# Altium PCB Power_Management_Board.PcbDoc (part 1 of 2)
Units mm, origin at the board's own origin, x right, y up, seen from the top; angles counter-clockwise.
Board outline 210 x 130 mm, 4 copper layers (Top Layer, Layer 1, Layer 2, Bottom Layer), stack 1.606 mm thick; 145 components, 102 nets, 624 pads, 311 vias.
Unrouted connection lines stored in the file: 16.
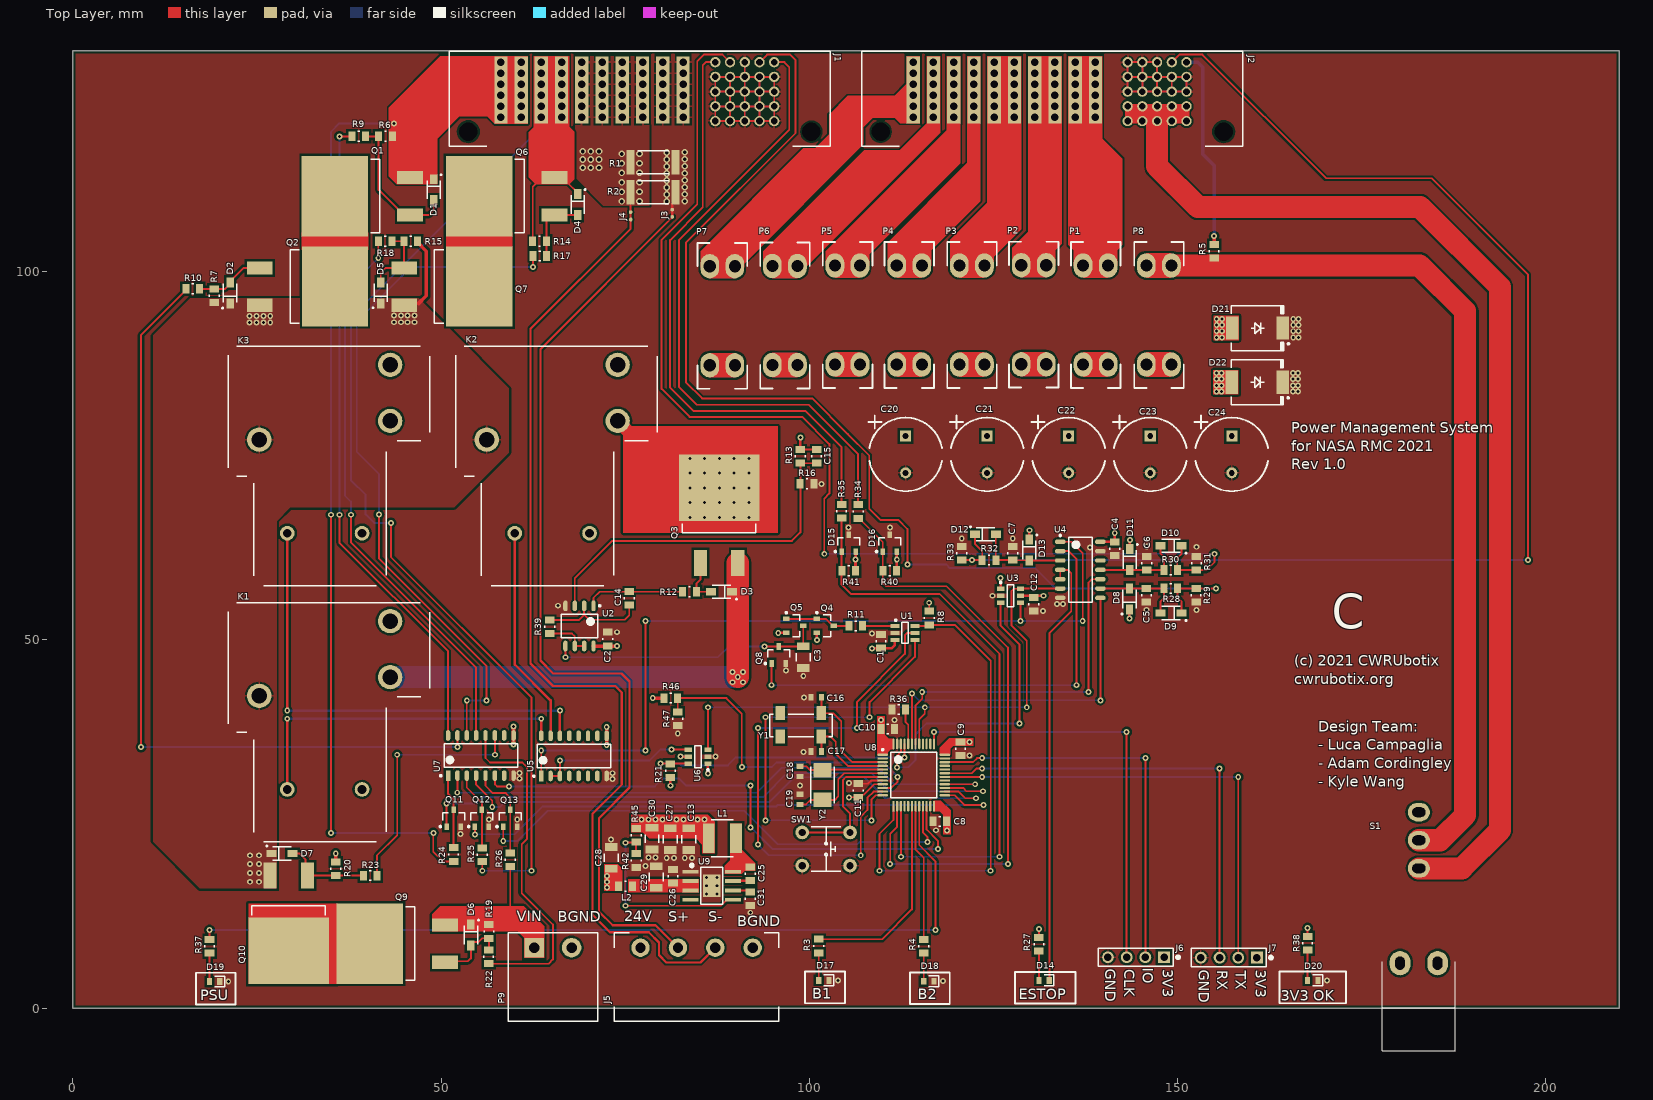
[diagram p0: Top Layer view]
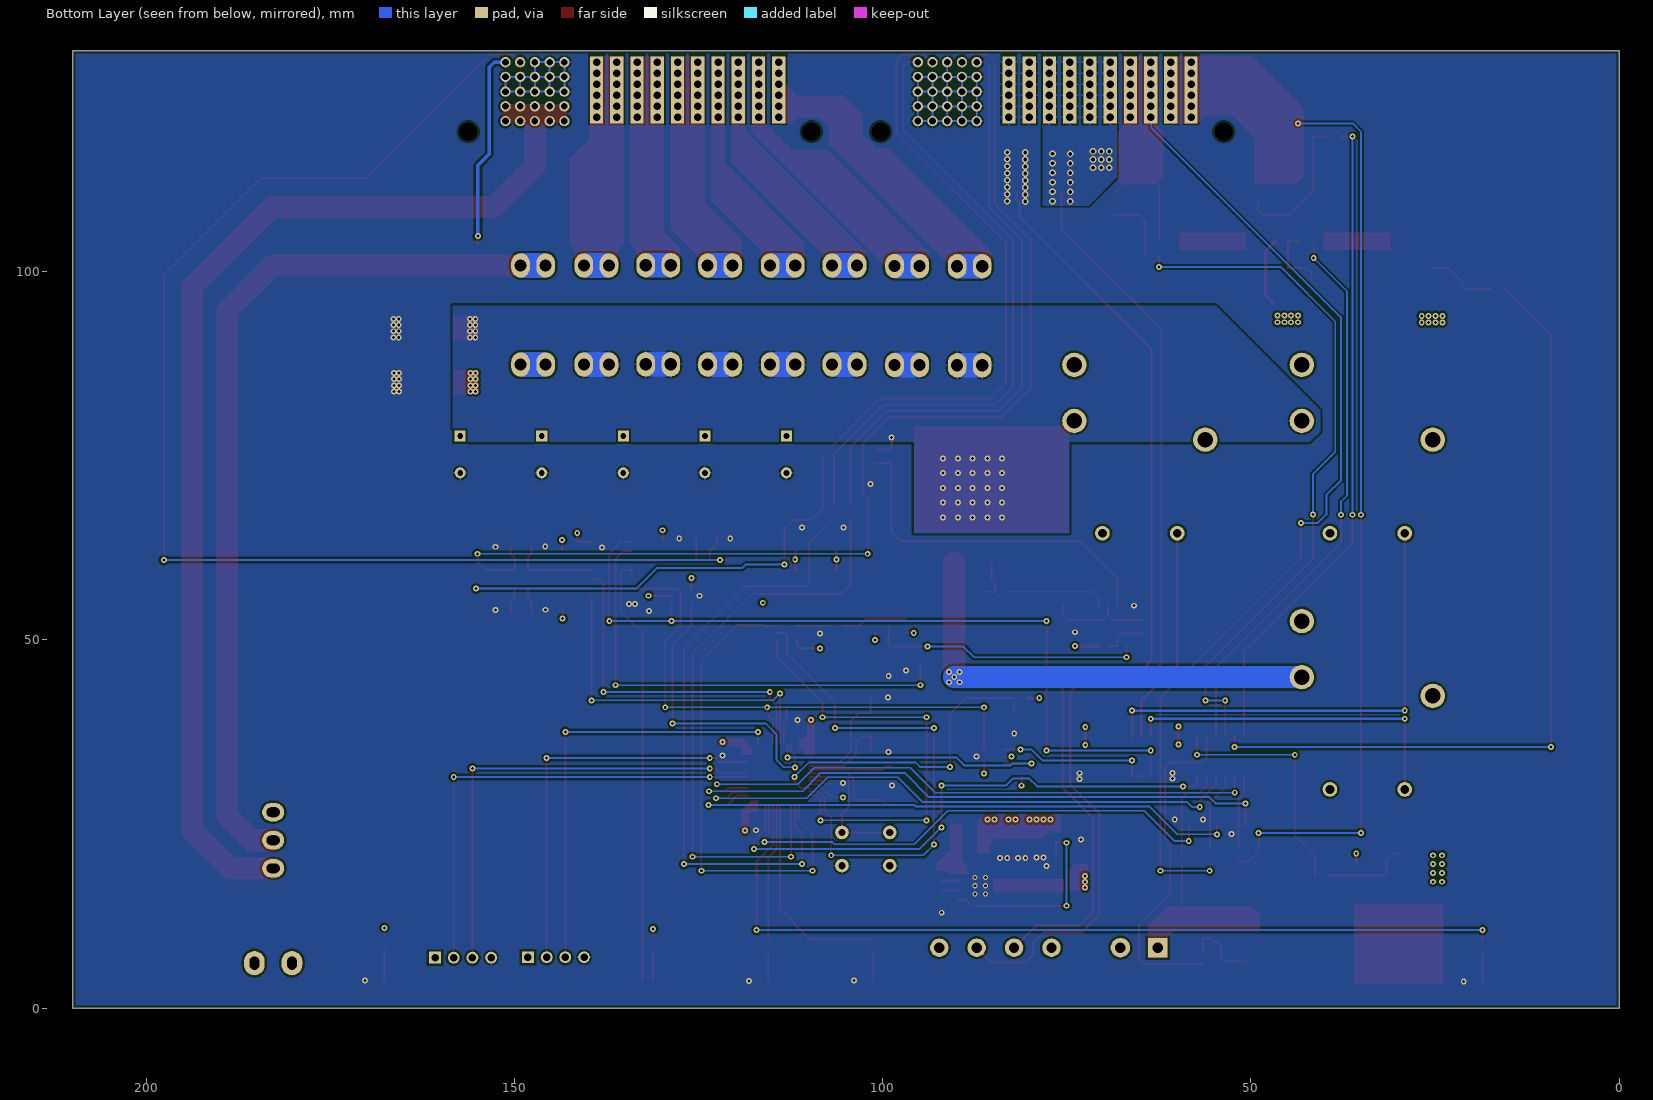
[diagram p1: Bottom Layer view, seen from below]
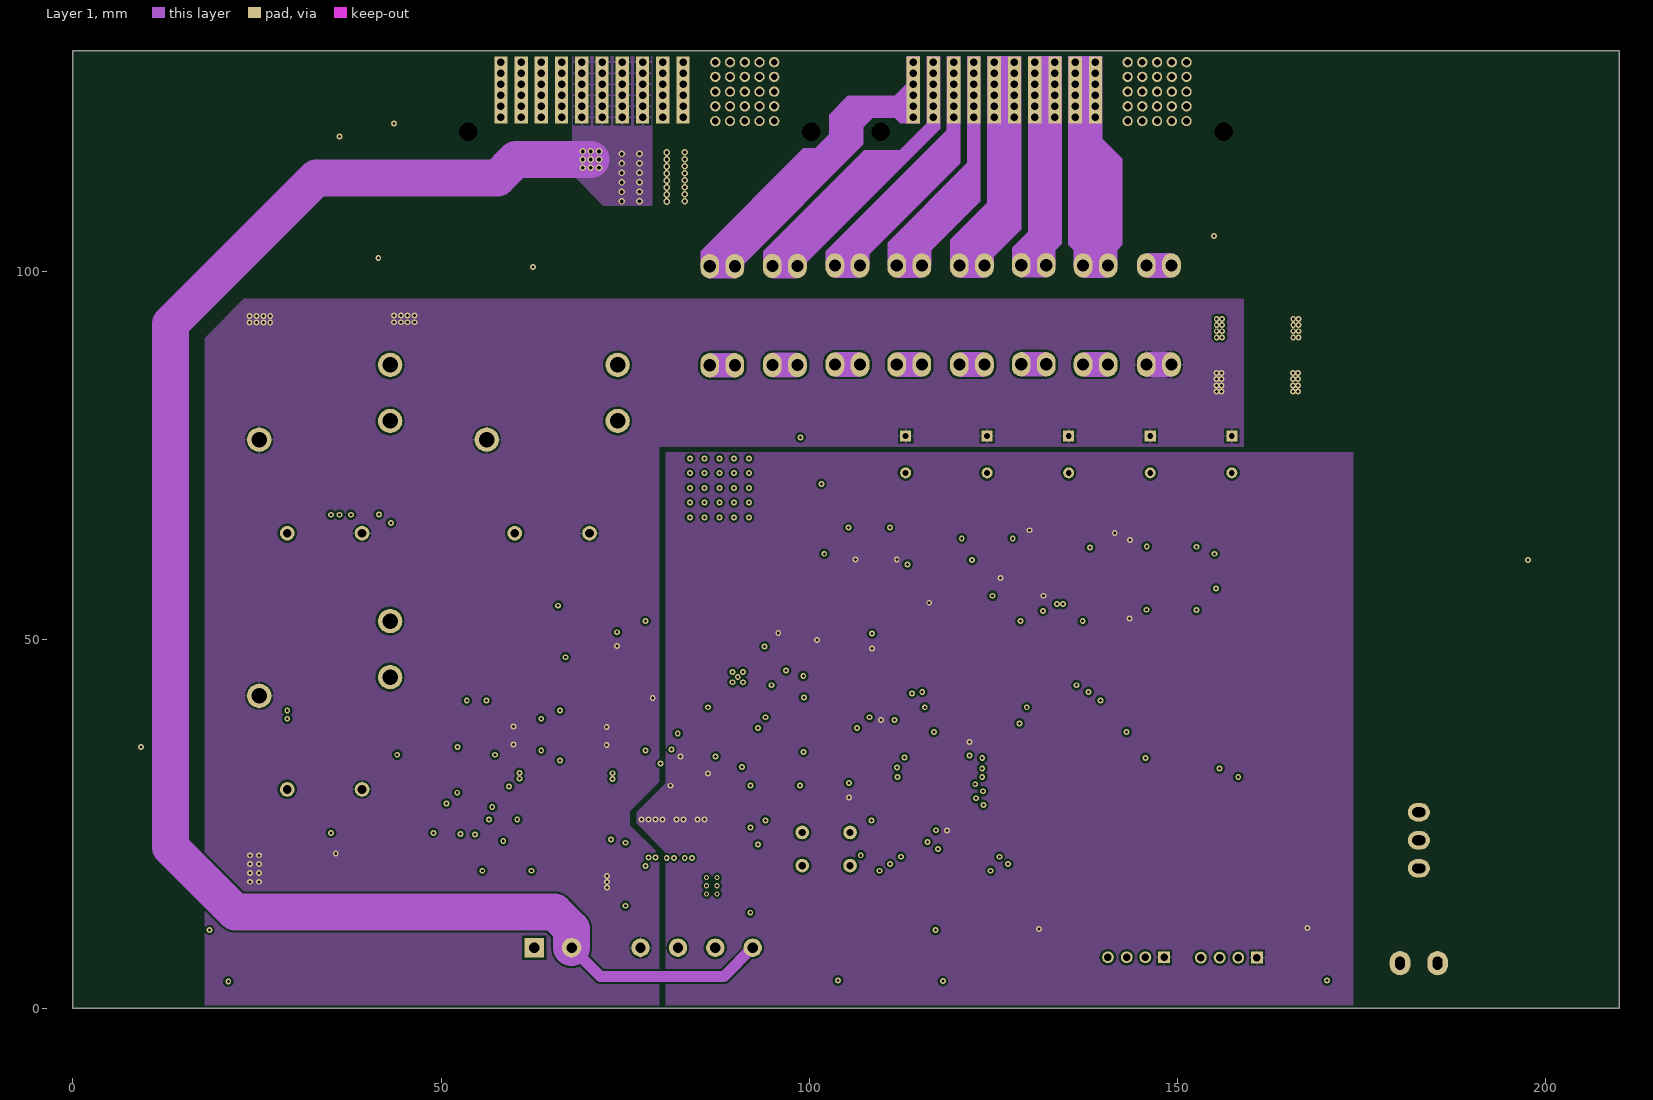
[diagram p2: Layer 1]
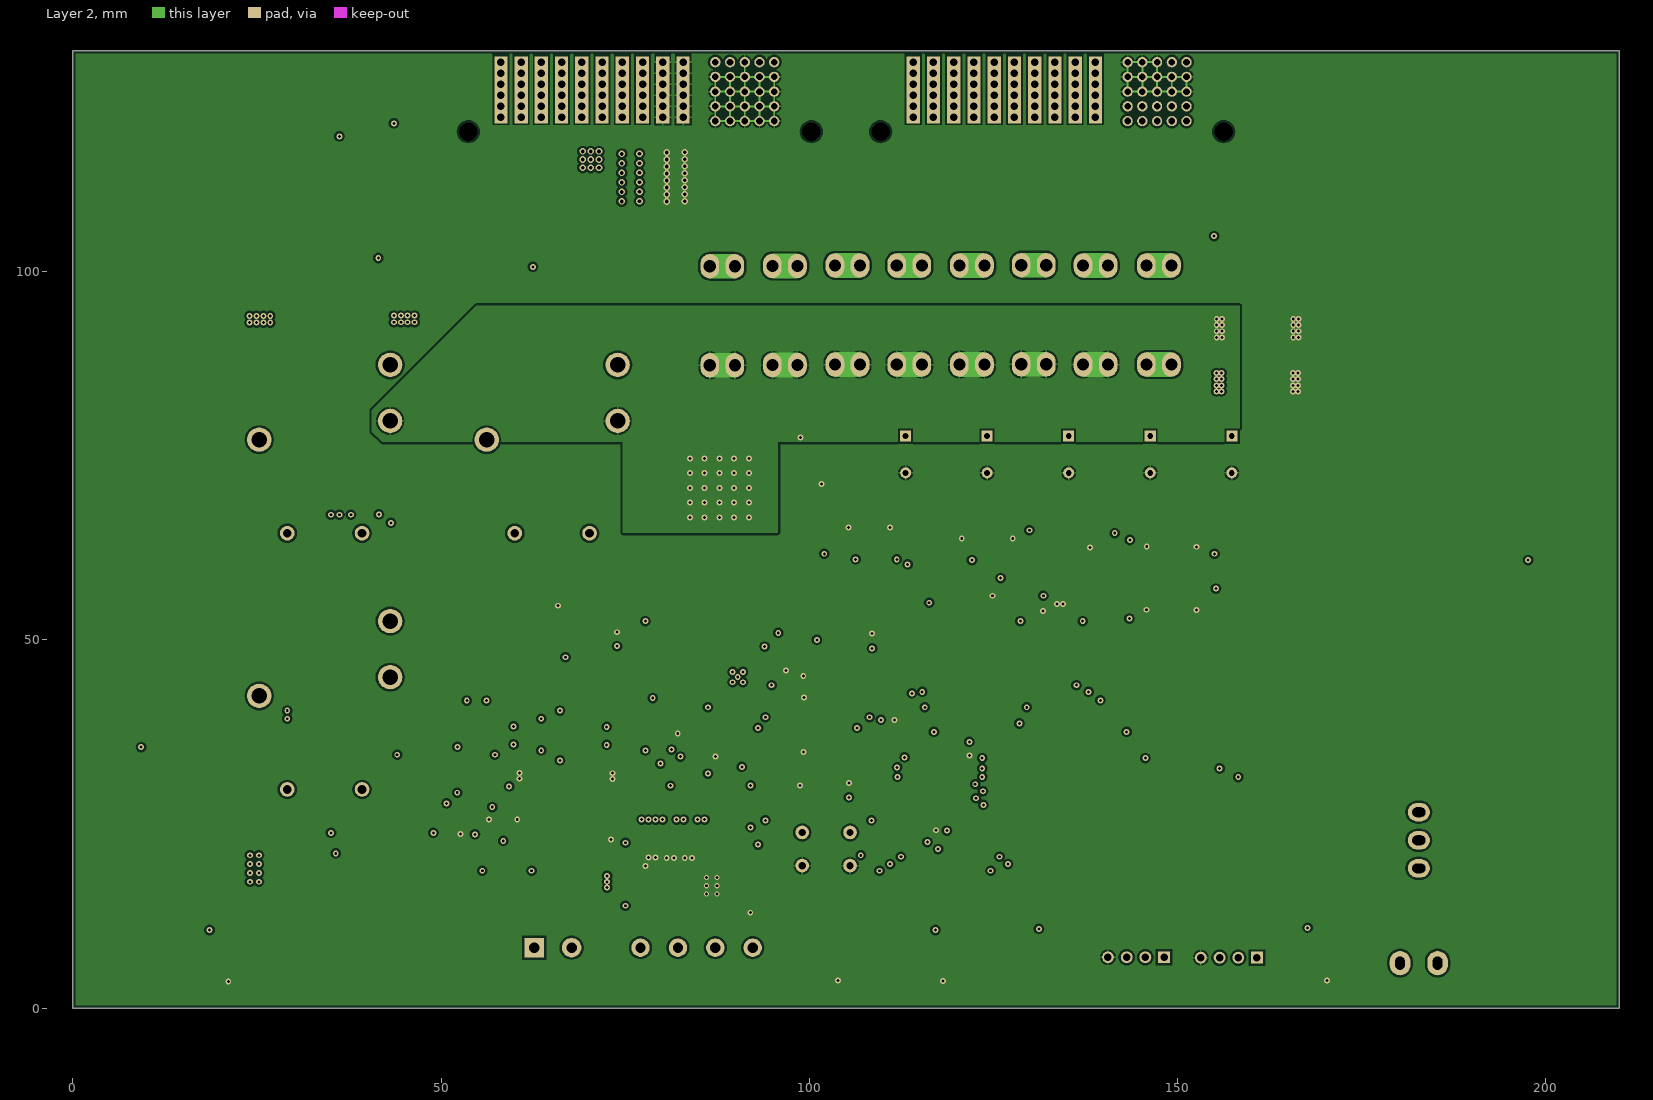
[diagram p3: Layer 2]

## Layer stack, top to bottom
Top Solder: solder mask 0.0102, Solder Resist, Dk 3.5
Top Layer: signal copper 0.0356
Dielectric 2: prepreg 0.2, PP-006, Dk 4.1
Layer 1: signal copper 0.0175
Dielectric 1: dielectric 1.1, FR-4, Dk 4.8
Layer 2: signal copper 0.0175
Dielectric 3: prepreg 0.2, PP-006, Dk 4.1
Bottom Layer: signal copper 0.0356
Bottom Solder: solder mask 0.0102, Solder Resist, Dk 3.5

## Board outline
0,0 210,0 210,130 0,130

## Design rules (kind name [scope] priority, off if disabled: settings)
BoardOutlineClearance [All] p1: gap=0.35 ignorepadtopadclearanceinfootprint=FALSE except(0: Arc-SplitContinuation Track-SplitContinuation SMDPad-SplitContinuation THPad-SplitContinuation Via-SplitContinuation Fill-SplitContinuation Poly-SplitContinuation Region-SplitContinuation Text-SplitContinuation)
Clearance [All] p1: gap=0.3 ignorepadtopadclearanceinfootprint=FALSE except(0: Arc-Text Arc-Hole Track-Text Track-Hole SMDPad-Text SMDPad-Hole THPad-Text THPad-Hole Via-Text Via-Hole Fill-Text Fill-Hole Poly-Text Poly-Hole Region-Text Region-Hole Text-Text Text-Hole; 0.2: Arc-Arc Arc-Track Arc-SMDPad Arc-THPad Arc-Via Track-Track Track-SMDPad Track-THPad Track-Via SMDPad-SMDPad SMDPad-THPad SMDPad-Via THPad-THPad THPad-Via Via-Via)
Height [All] p1: minheight=0 maxheight=100 prefheight=12.7
HoleSize [All] p1: absolutevalues=TRUE maxlimit=6.3 minlimit=0.2 maxpercent=80.000 minpercent=20.000
MinimumSolderMaskSliver [All] p1: minsoldermaskwidth=0
PolygonConnect PolygonConnect_HighCurrent [InNetClass('High Current')] p1: thpad.connectstyle=Relief thpad.reliefconductorwidth=0.5 thpad.reliefentries=4 thpad.polygonreliefangle="90 Angle" thpad.airgapwidth=0.35 smdpad.connectstyle=Direct smdpad.reliefconductorwidth=0.254 smdpad.reliefentries=4 smdpad.polygonreliefangle="90 Angle" smdpad.airgapwidth=0.254 via.connectstyle=Direct via.reliefconductorwidth=0.254 via.reliefentries=4 via.polygonreliefangle="90 Angle" via.airgapwidth=0.254
PolygonConnect [All] p2: thpad.connectstyle=Relief thpad.reliefconductorwidth=0.254 thpad.reliefentries=4 thpad.polygonreliefangle="90 Angle" thpad.airgapwidth=0.254 smdpad.connectstyle=Direct smdpad.reliefconductorwidth=0.254 smdpad.reliefentries=4 smdpad.polygonreliefangle="90 Angle" smdpad.airgapwidth=0.254 via.connectstyle=Direct via.reliefconductorwidth=0.254 via.reliefentries=4 via.polygonreliefangle="90 Angle" via.airgapwidth=0.254
RoutingVias [All] p1: holewidth=0.4 width=0.8 viastyle="Through Hole" minholewidth=0.3 minwidth=0.6 maxholewidth=6.3 maxwidth=10
SilkToSilkClearance [All] p1: silktosilkclearance=0
SilkToSolderMaskClearance [IsPad] p1: minsilkscreentomaskgap=0 clearancetoexposedcopper=TRUE
SolderMaskExpansion [All] p1: expansion=0.102 istentingtop=FALSE
Width [All] p1: maxlimit=10 minlimit=0.2 preferedwidth=0.25 minimp=50.000000 maximp=50.000000 favimp=50.000000
25 further rules are at their usual default settings.

## Classes and differential pairs
component class SCH3_Microcontroller: C8 C9 C10 C11 C13 C16 C17 C18 C19 C25 C26 C27 C28 C29 C30 C31 D15 D16 D17 D18 D19 D20 J6 J7 L1 L2 R3 R4 R34 R35 R36 R37 R38 R40 R41 R42 R45 R46 R47 SW1 U8 U9 Y1 Y2
component class SCH2_Switching: C1 C2 C3 C4 C5 C6 C7 C12 C14 C15 C20 C21 C22 C23 C24 D1 D2 D3 D4 D5 D6 D7 D8 D9 D10 D11 D12 D13 D14 D22 K1 K2 K3 Q1 Q2 Q3 Q4 Q5 Q6 Q7 Q8 Q9 Q10 Q11 Q12 Q13 R6 R7 R8 R9 R10 R11 R12 R13 R14 R15 R16 R17 R18 R19 R20 R21 R22 R23 R24 R25 R26 R27 R28 R29 R30 R31 R32 R33 R39 U1 U2 U3 U4 U5 U6 U7
component class SCH1_Connectors: D21 J1 J2 J3 J4 J5 P1 P2 P3 P4 P5 P6 P7 P8 P9 R1 R2 R5 S1

## Components (designator, comment, footprint, x,y, rotation, side; value= is the part's Value field where it differs from the comment)
C1 "0.10uF" chip_0805 109.75,49.8 r270 top
C2 "0.10uF" chip_0805 72.65,50.125 r270 top
C3 "10uF" chip_1206 99.2,47.65 r270 top
C4 "0.10uF" chip_0805 141.5,62.4 r90 top
C5 "0.10uF" chip_0805 145.8,56.05 r90 top
C6 "0.10uF" chip_0805 145.85,60.425 r270 top
C7 "0.10uF" chip_0805 127.65,61.75 r270 top
C8 "0.10uF" chip_0805 117.75,25.35 r180 top
C9 "0.10uF" chip_0805 120.55,35.225 r270 top
C10 "0.10uF" chip_0805 110.675,37.9 r0 top
C11 "0.10uF" chip_0805 106.65,29.55 r90 top
C12 "0.10uF" chip_0805 130.5,54.825 r90 top
C13 "10uF" chip_1206 83.65,22.95 r270 top
C14 "1000pF" chip_0805 75.55,55.65 r90 top
C15 "6800pF" chip_0805 101,74.95 r270 top
C16 "6pF" chip_0603 100.95,42.2 r180 top
C17 "6pF" chip_0603 100.95,34.85 r180 top
C18 "8pF" chip_0603 98.75,32.15 r270 top
C19 "8pF" chip_0603 98.75,28.35 r90 top
C20 "220uF" CP_RADIAL_D10.0_P5.0_H20.0 113.1,75.2 r270 top
C21 "220uF" CP_RADIAL_D10.0_P5.0_H20.0 124.175,75.2 r270 top
C22 "220uF" CP_RADIAL_D10.0_P5.0_H20.0 135.25,75.2 r270 top
C23 "220uF" CP_RADIAL_D10.0_P5.0_H20.0 146.325,75.2 r270 top
C24 "220uF" CP_RADIAL_D10.0_P5.0_H20.0 157.4,75.2 r270 top
C25 "0.10uF" chip_0805 92,18.25 r90 top
C26 "0.22uF" chip_0805 81.5,17.9 r90 top
C27 "22uF" chip_1206 81.15,22.95 r270 top
C28 "2.2uF" chip_1206 73.1,20.4 r90 top
C29 "2.2uF" chip_1206 79.25,17.8 r90 top
C30 "22uF" chip_1206 78.65,23 r270 top
C31 "1uF" chip_0805 92,14.85 r270 top
D1 "diode_1" sod123_0 49,111.15 r270 top
D2 "diode_1" sod123_0 21.35,97.1 r90 top
D3 "diode_1" sod123_0 88.075,56.55 r180 top
D4 "diode_1" sod123_0 68.55,109.125 r270 top
D5 "diode_1" sod123_0 41.8,97.15 r90 top
D6 "diode_1" sod123_0 54.05,9.9 r270 top
D7 "diode_1" sod123_0 28.375,21 r0 top
D8 "diode_0" sod123_0 143.5,55.55 r90 top
D9 "diode_0" sod123_0 149.15,53.65 r180 top
D10 "diode_0" sod123_0 149.15,62.8 r180 top
D11 "diode_0" sod123_0 143.55,60.925 r270 top
D12 "diode_0" sod123_0 123.925,64.35 r0 top
D13 "diode_0" sod123_0 129.9,62.225 r270 top
D14 "diode_4" chip_0603_LED 131.9,3.75 r180 top
D15 "D1213A-01SO-7" SOT-23-3_1 105.35,63.15 r90 top
D16 "D1213A-01SO-7" SOT-23-3_1 110.95,63.15 r90 top
D17 "2.65V" chip_0603_LED 102,3.75 r180 top
D18 "2.65V" chip_0603_LED 116.25,3.65 r180 top
D19 "2.65V" chip_0603_LED 19.25,3.6 r180 top
D20 "2.65V" chip_0603_LED 168.4,3.75 r180 top
D21 "diode_5" do-214ab 160.9,92.35 r180 top
D22 "diode_5" do-214ab 160.85,85 r180 top
J1 "2-1926730-5" TE_CONN_2-1926730-5 77,123.75 r180 top
J2 "2-1926730-5" TE_CONN_2-1926730-5 133,123.75 r180 top
J3 "Net Tie" net_tie_0 81.4,107.95 r90 top
J4 "Net Tie" net_tie_0 75.75,107.6 r90 top
J5 "conn-4x1_0" PHOENIX_1757268 77.09,8.2 r0 top
J6 "conn-4x1_0" HDDR_4x1_0 144.39,6.9 r180 top
J7 "conn-4x1_0" HDDR_4x1_0 157.01,6.85 r180 top
K1 "T9AS1D12-24" TE_CONN_T9AS 48.48,55.06 r0 top
K2 "T9AS1D12-24" TE_CONN_T9AS 79.38,89.86 r0 top
K3 "T9AS1D12-24" TE_CONN_T9AS 48.48,89.86 r0 top
L1 "22uH" BOURNS_SRN5040 88.2,23.05 r180 top
L2 "1uH" chip_0805 75.05,16.55 r0 top
P1 "conn-fuse-holder_0" FUSE_HOLDER_KEYSTONE_3557-2 137.196,100.862 r270 top
P2 "conn-fuse-holder_0" FUSE_HOLDER_KEYSTONE_3557-2 128.796,100.9 r270 top
P3 "conn-fuse-holder_0" FUSE_HOLDER_KEYSTONE_3557-2 120.4,100.862 r270 top
P4 "conn-fuse-holder_0" FUSE_HOLDER_KEYSTONE_3557-2 111.896,100.862 r270 top
P5 "conn-fuse-holder_0" FUSE_HOLDER_KEYSTONE_3557-2 103.5,100.862 r270 top
P6 "conn-fuse-holder_0" FUSE_HOLDER_KEYSTONE_3557-2 94.996,100.8 r270 top
P7 "conn-fuse-holder_0" FUSE_HOLDER_KEYSTONE_3557-2 86.5,100.762 r270 top
P8 "conn-fuse-holder_0" FUSE_HOLDER_KEYSTONE_3557-2 145.796,100.862 r270 top
P9 "conn-2x1_0" PHOENIX_1757242 65.19,8.2 r0 top
Q1 "SQM40031EL_GE3" D2PAK-3_1 35.587,110.26 r0 top
Q2 "SQM40031EL_GE3" D2PAK-3_1 35.6,98 r180 top
Q3 "SQM40031EL_GE3" D2PAK-3_1 87.76,70.663 r270 top
Q4 "MMBT3906LT1G" SOT-23-3_1 102.2,51.9 r0 top
Q5 "MMBT3906LT1G" SOT-23-3_1 98.05,51.9 r0 top
Q6 "SQM40031EL_GE3" D2PAK-3_1 55.187,110.26 r0 top
Q7 "SQM40031EL_GE3" D2PAK-3_1 55.2,98 r180 top
Q8 "BSS138" sot-23-3 95.85,47.95 r90 top
Q9 "SQM40031EL_GE3" D2PAK-3_1 40.337,8.76 r0 top
Q10 "SQM40031EL_GE3" D2PAK-3_1 29.31,7.787 r90 top
Q11 "BSS138" sot-23-3 51.7,25.8 r90 top
Q12 "BSS138" sot-23-3 55.55,25.8 r90 top
Q13 "BSS138" sot-23-3 59.4,25.8 r90 top
R1 "0.0015" chip_2512 78.8,114.9 r180 top
R2 "0.0015" chip_2512 78.8,110.8 r180 top
R3 "330" chip_0805 101.3,8.425 r270 top
R4 "330" chip_0805 115.55,8.375 r270 top
R5 "2.2k" chip_0805 155,102.8 r270 top
R6 "100k" chip_0805 42.45,118.4 r180 top
R7 "100k" chip_0805 19.2,96.75 r90 top
R8 "10k" chip_0805 116.3,52.975 r90 top
R9 "10k" chip_0805 38.825,118.4 r180 top
R10 "10k" chip_0805 16.25,97.7 r180 top
R11 "10k" chip_0805 106.3,51.9 r180 top
R12 "330" chip_0805 83.75,56.55 r0 top
R13 "68k" chip_0805 98.8,74.95 r270 top
R14 "100k" chip_0805 63.375,104.15 r0 top
R15 "100k" chip_0805 45.9,104.15 r180 top
R16 "10k" chip_0805 99.7,71.2 r0 top
R17 "10k" chip_0805 63.4,102.15 r180 top
R18 "10k" chip_0805 42.4,104.15 r180 top
R19 "100k" chip_0805 56.5,10.4 r270 top
R20 "100k" chip_0805 35.7,18.925 r270 top
R21 "10k" chip_0805 81.15,32.25 r270 top
R22 "10k" chip_0805 56.45,6.95 r270 top
R23 "10k" chip_0805 40.375,18 r0 top
R24 "100k" chip_0805 51.7,20.85 r90 top
R25 "100k" chip_0805 55.6,20.825 r90 top
R26 "100k" chip_0805 59.4,20.15 r90 top
R27 "360" chip_0805 131.2,8.675 r270 top
R28 "100k" chip_0805 149.1,57 r180 top
R29 "10k" chip_0805 152.55,56.05 r90 top
R30 "100k" chip_0805 149.1,59.5 r180 top
R31 "10k" chip_0805 152.6,60.425 r270 top
R32 "100k" chip_0805 124.425,60.85 r0 top
R33 "10k" chip_0805 120.725,61.775 r270 top
R34 "47" chip_0805 106.65,67.45 r90 top
R35 "47" chip_0805 104.4,67.475 r90 top
R36 "1k" chip_0805 112.175,40.55 r180 top
R37 "330" chip_0805 18.55,8.375 r270 top
R38 "330" chip_0805 167.7,8.825 r270 top
R39 "10k" chip_0805 64.75,51.8 r90 top
R40 "4.7k" chip_0805 110.95,59.4 r180 top
R41 "4.7k" chip_0805 105.35,59.4 r180 top
R42 "24.9k" chip_0805 76.5,20.05 r270 top
R45 "100k" chip_0805 76.5,23.45 r90 top
R46 "68k" chip_0805 81.2,42.1 r0 top